# KiCad board Untitled.kicad_pcb
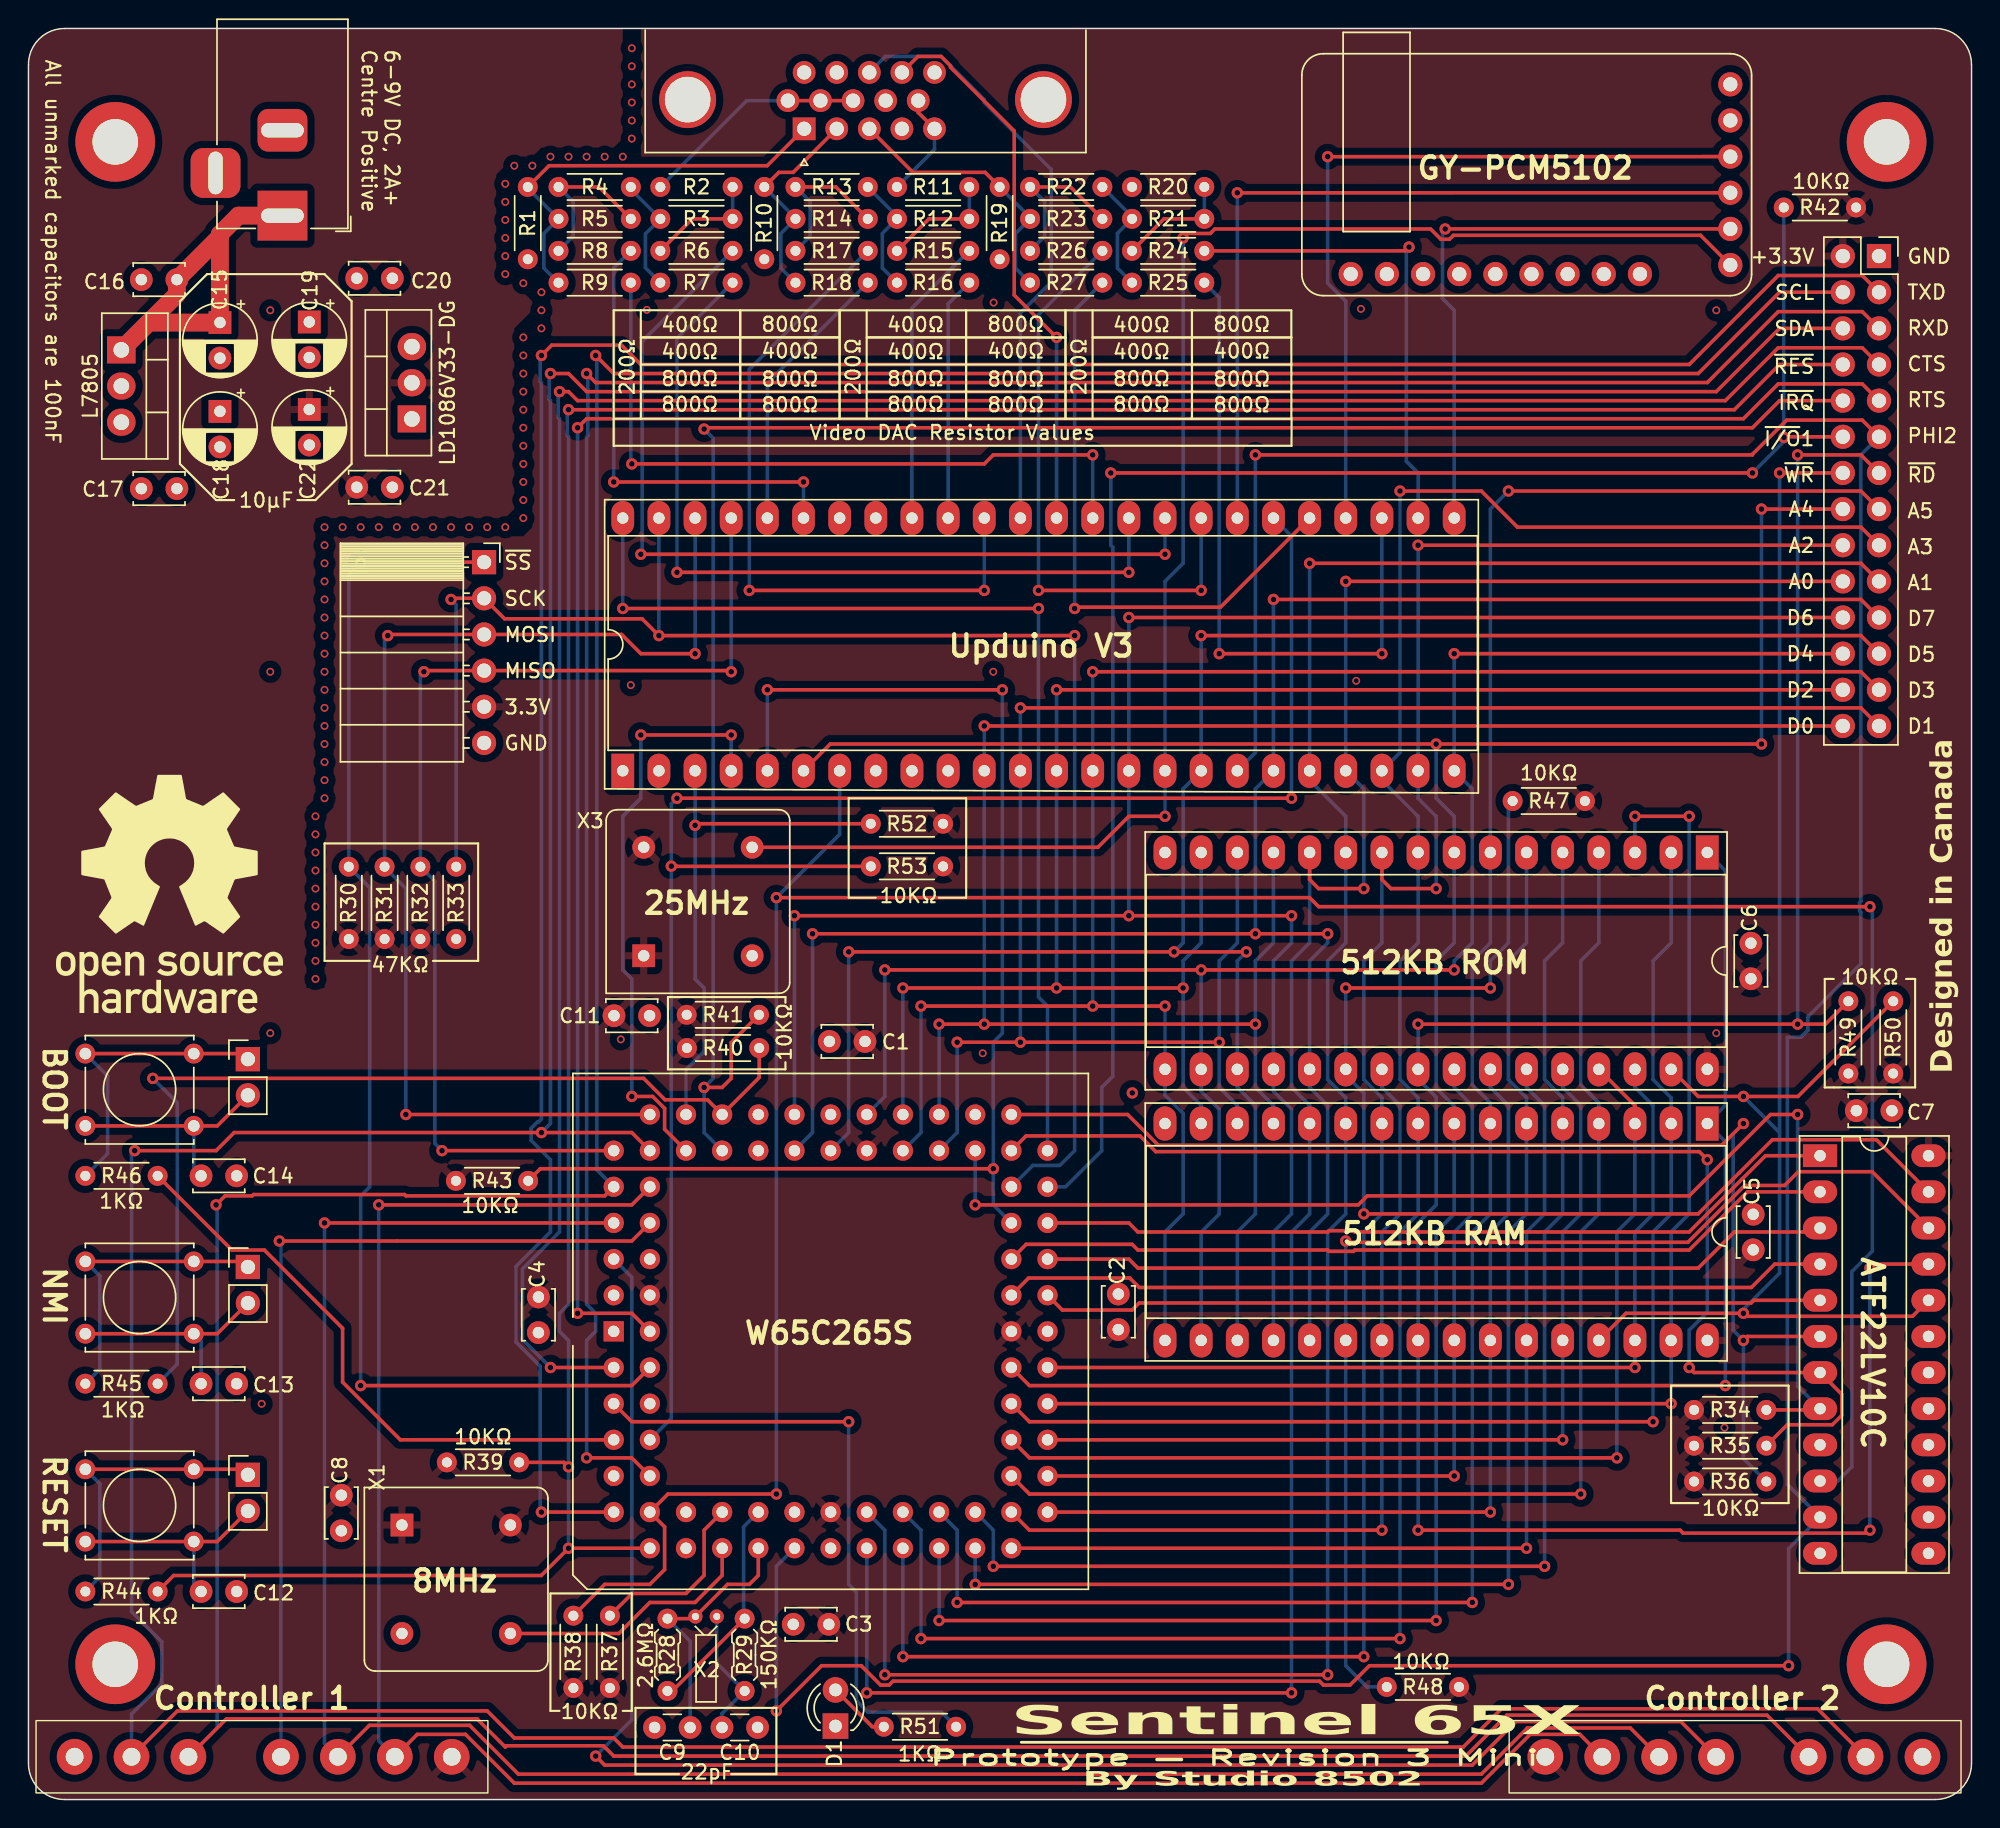
[diagram p0: board, top side]
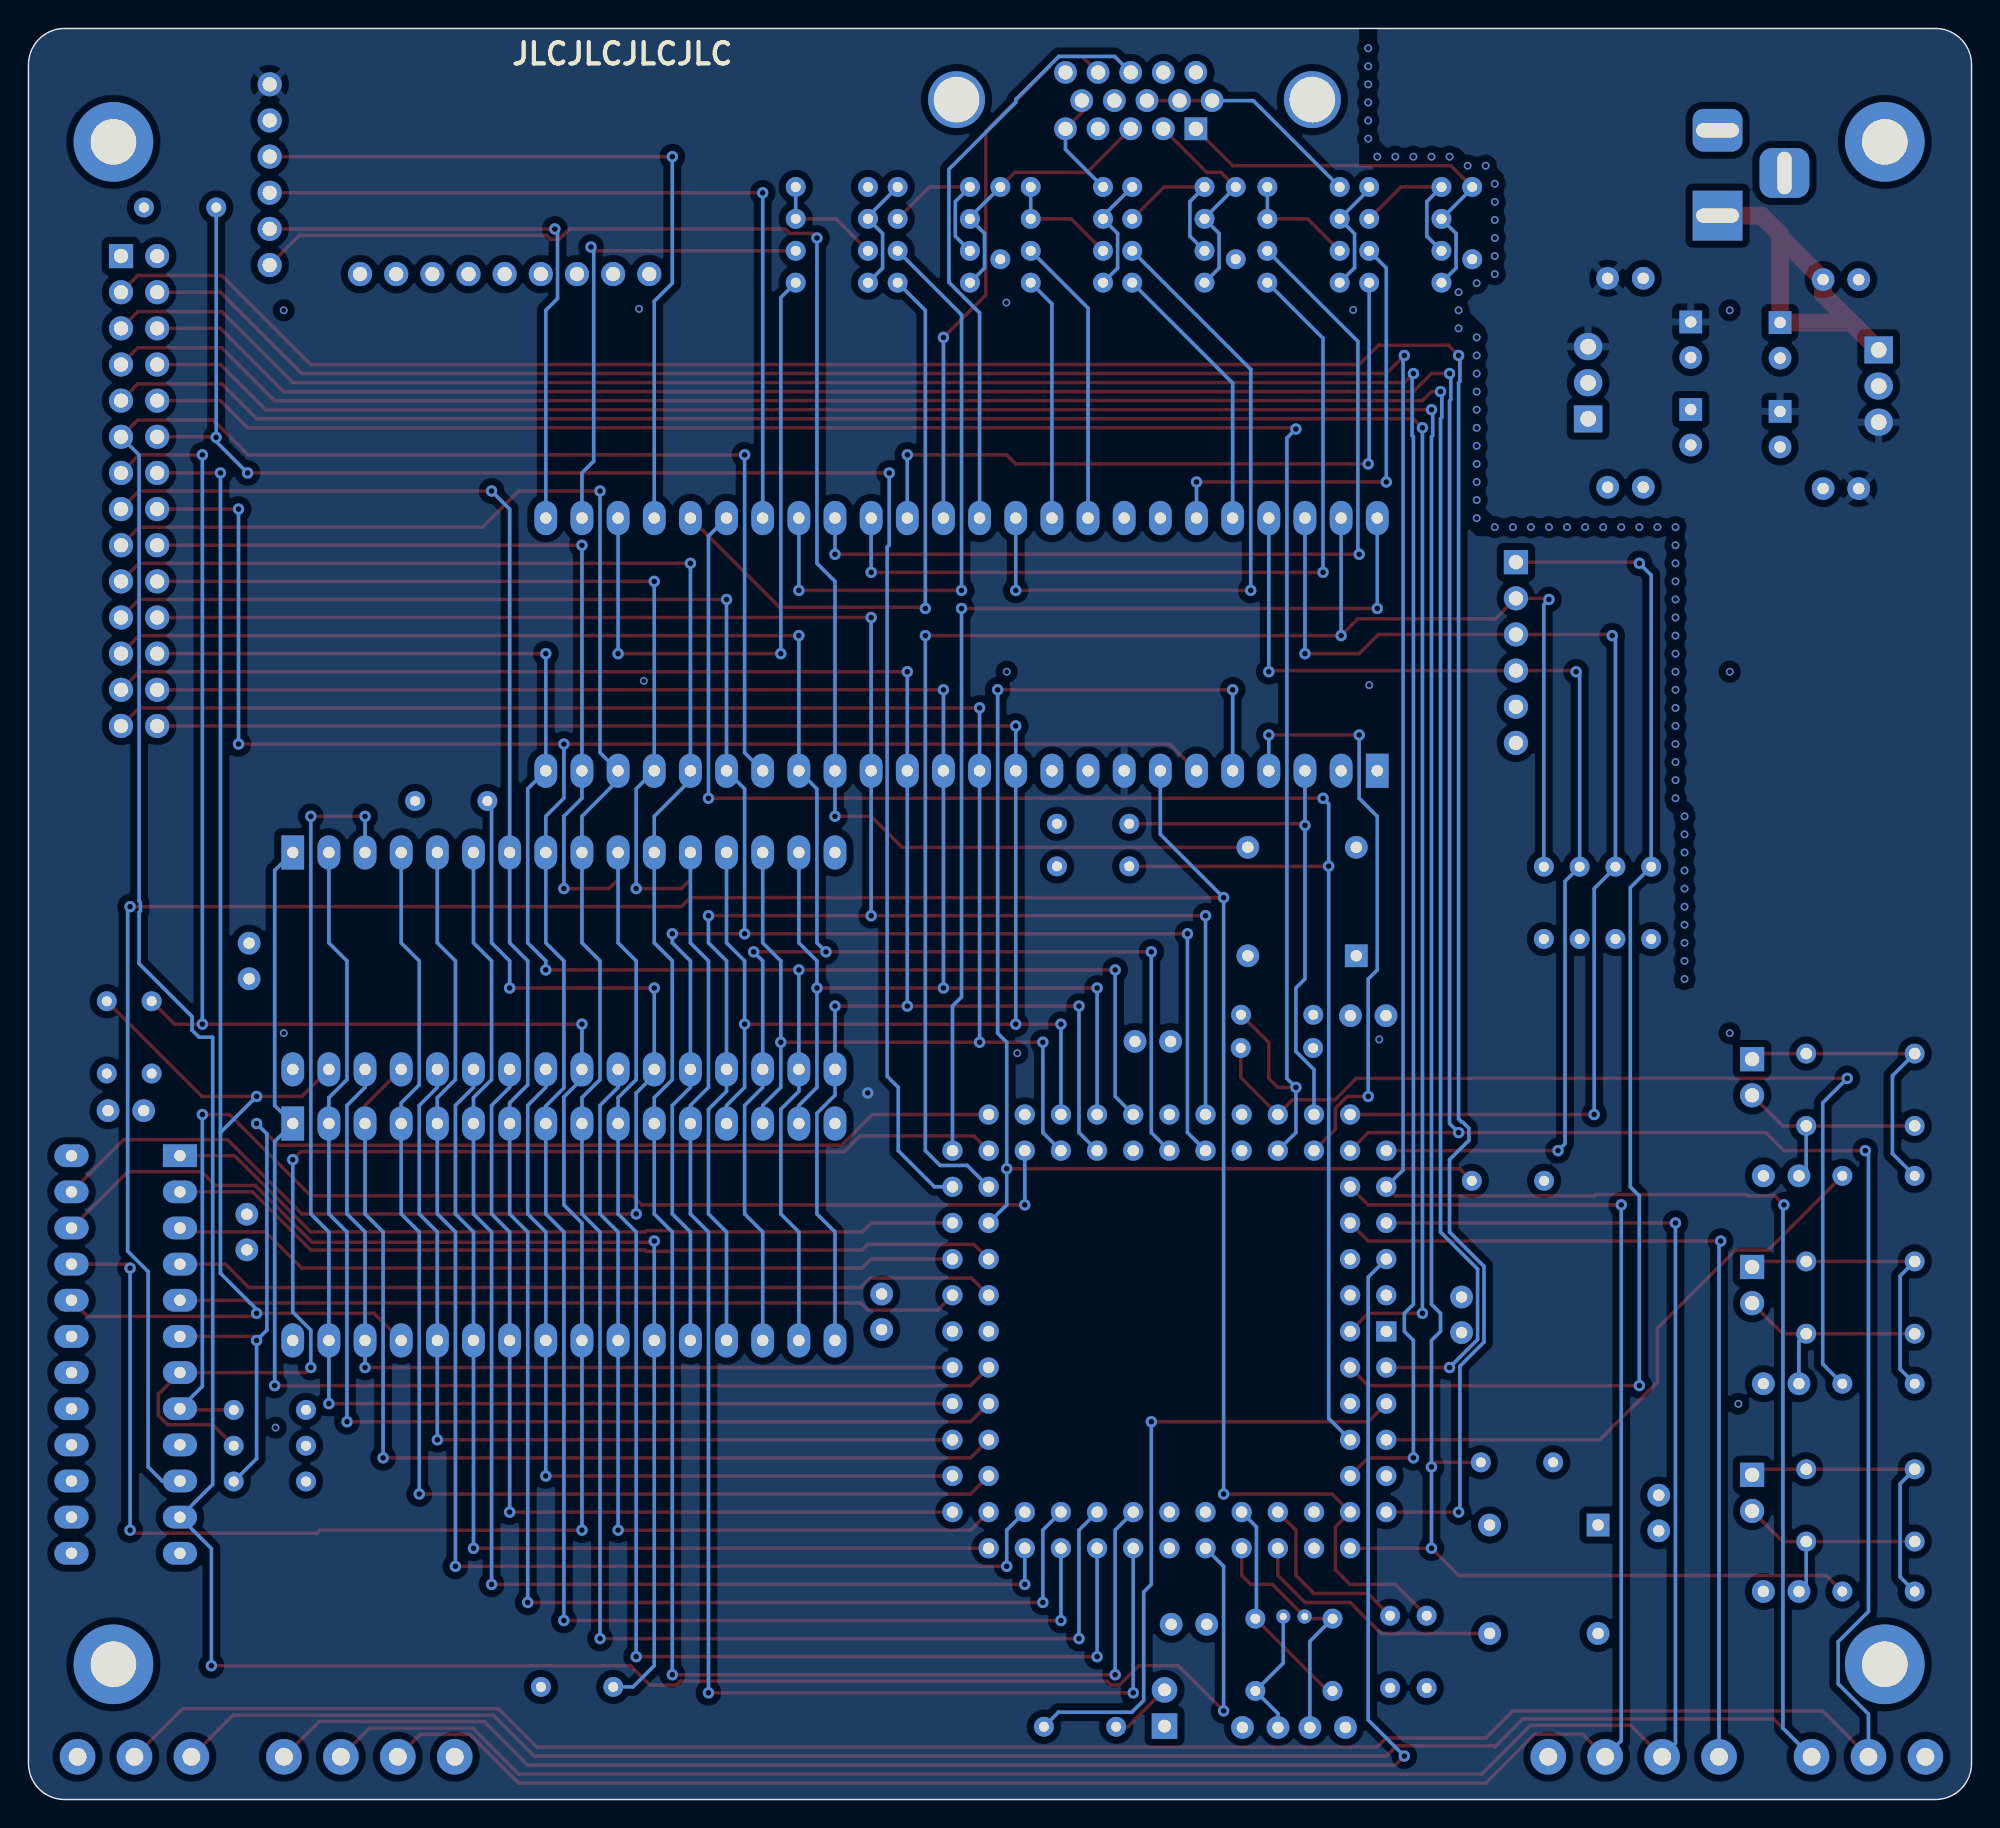
[diagram p1: board, bottom side, seen from below]

Outline 136.53 x 124.46 mm; copper layers: Top, In1.Cu, In2.Cu, Bottom. Coordinates in mm from the lower left corner of the outline.
Outline path: 0,121.92 arc(0.74,123.72) 2.54,124.46 133.98,124.46 arc(135.78,123.72) 136.53,121.92 136.53,2.54 arc(135.78,0.74) 133.98,0 2.54,0 arc(0.74,0.74) 0,2.54 0,121.92
Stack: Top 0.035mm / dielectric 0.1mm FR4 er 4.5 / In1.Cu 0.035mm / dielectric 1.24mm FR4 er 4.5 / In2.Cu 0.035mm / dielectric 0.1mm FR4 er 4.5 / Bottom 0.035mm

## Placement (name value [footprint] x y rotation side)
C1  100nF  [C_Disc_D3.4mm_W2.1mm_P2.50mm]  58.78 53.27 180 top
C2  100nF  [C_Disc_D3.4mm_W2.1mm_P2.50mm]  76.58 33.02 90 top
C3  100nF  [C_Disc_D3.4mm_W2.1mm_P2.50mm]  56.24 12.31 180 top
C4  100nF  [C_Disc_D3.4mm_W2.1mm_P2.50mm]  35.83 35.31 270 top
C5  100nF  [C_Disc_D3.4mm_W2.1mm_P2.50mm]  121.18 38.63 90 top
C6  100nF  [C_Disc_D3.4mm_W2.1mm_P2.50mm]  121.02 57.68 90 top
C7  100nF  [C_Disc_D3.4mm_W2.1mm_P2.50mm]  128.43 48.41 0 top
C8  100nF  [C_Disc_D3.4mm_W2.1mm_P2.50mm]  21.98 21.39 270 top
C9  22pF  [C_Disc_D3.0mm_W1.6mm_P2.50mm]  46.49 5.07 180 top
C10  22pF  [C_Disc_D3.0mm_W1.6mm_P2.50mm]  48.73 5.07 0 top
C11  100nF  [C_Disc_D3.4mm_W2.1mm_P2.50mm]  41.14 55.09 0 top
C12  100nF  [C_Disc_D3.4mm_W2.1mm_P2.50mm]  12.13 14.62 0 top
C13  100nF  [C_Disc_D3.4mm_W2.1mm_P2.50mm]  12.13 29.22 0 top
C14  100nF  [C_Disc_D3.4mm_W2.1mm_P2.50mm]  12.13 43.83 0 top
C15  10µF  [CP_Radial_D5.0mm_P2.50mm]  13.45 103.79 270 top
C16  100nF  [C_Disc_D3.4mm_W2.1mm_P2.50mm]  10.43 106.81 180 top
C17  100nF  [C_Disc_D3.4mm_W2.1mm_P2.50mm]  7.93 92.13 0 top
C18  10µF  [CP_Radial_D5.0mm_P2.50mm]  13.45 97.55 270 top
C19  10µF  [CP_Radial_D5.0mm_P2.50mm]  19.73 103.83 270 top
C20  100nF  [C_Disc_D3.4mm_W2.1mm_P2.50mm]  25.57 106.9 180 top
C21  100nF  [C_Disc_D3.4mm_W2.1mm_P2.50mm]  23.07 92.22 0 top
C22  10µF  [CP_Radial_D5.0mm_P2.50mm]  19.73 97.68 270 top
D1  LED  [LED_D3.0mm]  56.7 5.16 90 top
H1  MountingHole_Pad  [MountingHole_3.2mm_M3_DIN965_Pad]  6.1 9.5 0 top
H2  MountingHole_Pad  [MountingHole_3.2mm_M3_DIN965_Pad]  6.1 116.49 0 top
H3  MountingHole_Pad  [MountingHole_3.2mm_M3_DIN965_Pad]  130.56 116.49 0 top
H4  MountingHole_Pad  [MountingHole_3.2mm_M3_DIN965_Pad]  130.56 9.5 0 top
J1  Conn_02x14_Odd_Even  [PinSocket_2x14_P2.54mm_Vertical]  130.02 108.46 0 top
J2  SVGA Connector  [DSUB-15-HD_Female_Horizontal_P2.29x1.98mm_EdgePinOffset3.03mm_Housed_MountingHolesOffset4.94mm]  54.5 117.41 180 top
J3  Controller 1  [SNES Controller Port (Female, 90º, THT)]  14.5 3 180 top
J4  Controller 1  [SNES Controller Port (Female, 90º, THT)]  121.82 3 0 top
J5  Conn_01x06  [PinSocket_1x06_P2.54mm_Horizontal]  32.01 86.95 0 top
J6  Conn_01x02  [PinHeader_1x02_P2.54mm_Vertical]  15.42 22.82 0 top
J7  Conn_01x02  [PinHeader_1x02_P2.54mm_Vertical]  15.42 37.42 0 top
J8  Conn_01x02  [PinHeader_1x02_P2.54mm_Vertical]  15.42 52.03 0 top
J9  DC Barrel Jack  [BarrelJack_Horizontal]  17.85 111.3 270 top
R1  200Ω  [R_Axial_DIN0204_L3.6mm_D1.6mm_P5.08mm_Horizontal]  35.08 113.32 270 top
R2  800Ω  [R_Axial_DIN0204_L3.6mm_D1.6mm_P5.08mm_Horizontal]  44.4 113.32 0 top
R3  400Ω  [R_Axial_DIN0204_L3.6mm_D1.6mm_P5.08mm_Horizontal]  44.4 111.08 0 top
R4  400Ω  [R_Axial_DIN0204_L3.6mm_D1.6mm_P5.08mm_Horizontal]  37.24 113.32 0 top
R5  400Ω  [R_Axial_DIN0204_L3.6mm_D1.6mm_P5.08mm_Horizontal]  37.24 111.08 0 top
R6  800Ω  [R_Axial_DIN0204_L3.6mm_D1.6mm_P5.08mm_Horizontal]  44.4 108.83 0 top
R7  800Ω  [R_Axial_DIN0204_L3.6mm_D1.6mm_P5.08mm_Horizontal]  44.4 106.6 0 top
R8  800Ω  [R_Axial_DIN0204_L3.6mm_D1.6mm_P5.08mm_Horizontal]  37.24 108.83 0 top
R9  800Ω  [R_Axial_DIN0204_L3.6mm_D1.6mm_P5.08mm_Horizontal]  37.24 106.6 0 top
R10  200Ω  [R_Axial_DIN0204_L3.6mm_D1.6mm_P5.08mm_Horizontal]  51.7 113.32 270 top
R11  800Ω  [R_Axial_DIN0204_L3.6mm_D1.6mm_P5.08mm_Horizontal]  61.02 113.32 0 top
R12  400Ω  [R_Axial_DIN0204_L3.6mm_D1.6mm_P5.08mm_Horizontal]  61.02 111.08 0 top
R13  400Ω  [R_Axial_DIN0204_L3.6mm_D1.6mm_P5.08mm_Horizontal]  53.89 113.32 0 top
R14  400Ω  [R_Axial_DIN0204_L3.6mm_D1.6mm_P5.08mm_Horizontal]  53.89 111.08 0 top
R15  800Ω  [R_Axial_DIN0204_L3.6mm_D1.6mm_P5.08mm_Horizontal]  61.02 108.83 0 top
R16  800Ω  [R_Axial_DIN0204_L3.6mm_D1.6mm_P5.08mm_Horizontal]  61.02 106.6 0 top
R17  800Ω  [R_Axial_DIN0204_L3.6mm_D1.6mm_P5.08mm_Horizontal]  53.89 108.83 0 top
R18  800Ω  [R_Axial_DIN0204_L3.6mm_D1.6mm_P5.08mm_Horizontal]  53.89 106.6 0 top
R19  200Ω  [R_Axial_DIN0204_L3.6mm_D1.6mm_P5.08mm_Horizontal]  68.24 113.32 270 top
R20  800Ω  [R_Axial_DIN0204_L3.6mm_D1.6mm_P5.08mm_Horizontal]  77.54 113.32 0 top
R21  400Ω  [R_Axial_DIN0204_L3.6mm_D1.6mm_P5.08mm_Horizontal]  77.54 111.08 0 top
R22  400Ω  [R_Axial_DIN0204_L3.6mm_D1.6mm_P5.08mm_Horizontal]  70.38 113.32 0 top
R23  400Ω  [R_Axial_DIN0204_L3.6mm_D1.6mm_P5.08mm_Horizontal]  70.38 111.08 0 top
R24  800Ω  [R_Axial_DIN0204_L3.6mm_D1.6mm_P5.08mm_Horizontal]  77.54 108.83 0 top
R25  800Ω  [R_Axial_DIN0204_L3.6mm_D1.6mm_P5.08mm_Horizontal]  77.54 106.6 0 top
R26  800Ω  [R_Axial_DIN0204_L3.6mm_D1.6mm_P5.08mm_Horizontal]  70.38 108.83 0 top
R27  800Ω  [R_Axial_DIN0204_L3.6mm_D1.6mm_P5.08mm_Horizontal]  70.38 106.6 0 top
R28  2.6MΩ  [R_Axial_DIN0204_L3.6mm_D1.6mm_P5.08mm_Horizontal]  44.9 7.63 90 top
R29  150KΩ  [R_Axial_DIN0204_L3.6mm_D1.6mm_P5.08mm_Horizontal]  50.32 12.71 270 top
R30  47kΩ  [R_Axial_DIN0204_L3.6mm_D1.6mm_P5.08mm_Horizontal]  22.51 60.47 90 top
R31  47kΩ  [R_Axial_DIN0204_L3.6mm_D1.6mm_P5.08mm_Horizontal]  25.02 60.47 90 top
R32  47kΩ  [R_Axial_DIN0204_L3.6mm_D1.6mm_P5.08mm_Horizontal]  27.54 60.47 90 top
R33  47kΩ  [R_Axial_DIN0204_L3.6mm_D1.6mm_P5.08mm_Horizontal]  30.05 65.55 270 top
R34  10KΩ  [R_Axial_DIN0204_L3.6mm_D1.6mm_P5.08mm_Horizontal]  117.03 27.38 0 top
R35  10KΩ  [R_Axial_DIN0204_L3.6mm_D1.6mm_P5.08mm_Horizontal]  117.03 24.86 0 top
R36  10KΩ  [R_Axial_DIN0204_L3.6mm_D1.6mm_P5.08mm_Horizontal]  117.03 22.35 0 top
R37  10KΩ  [R_Axial_DIN0204_L3.6mm_D1.6mm_P5.08mm_Horizontal]  40.85 7.84 90 top
R38  10KΩ  [R_Axial_DIN0204_L3.6mm_D1.6mm_P5.08mm_Horizontal]  38.29 7.84 90 top
R39  10KΩ  [R_Axial_DIN0204_L3.6mm_D1.6mm_P5.08mm_Horizontal]  29.4 23.69 0 top
R40  10KΩ  [R_Axial_DIN0204_L3.6mm_D1.6mm_P5.08mm_Horizontal]  46.26 52.81 0 top
R41  10KΩ  [R_Axial_DIN0204_L3.6mm_D1.6mm_P5.08mm_Horizontal]  46.25 55.15 0 top
R42  10KΩ  [R_Axial_DIN0204_L3.6mm_D1.6mm_P5.08mm_Horizontal]  128.41 111.88 180 top
R43  10KΩ  [R_Axial_DIN0204_L3.6mm_D1.6mm_P5.08mm_Horizontal]  30.03 43.48 0 top
R44  1KΩ  [R_Axial_DIN0204_L3.6mm_D1.6mm_P5.08mm_Horizontal]  4 14.62 0 top
R45  1KΩ  [R_Axial_DIN0204_L3.6mm_D1.6mm_P5.08mm_Horizontal]  4 29.22 0 top
R46  1KΩ  [R_Axial_DIN0204_L3.6mm_D1.6mm_P5.08mm_Horizontal]  4 43.83 0 top
R47  10KΩ  [R_Axial_DIN0204_L3.6mm_D1.6mm_P5.08mm_Horizontal]  109.36 70.17 180 top
R48  10KΩ  [R_Axial_DIN0204_L3.6mm_D1.6mm_P5.08mm_Horizontal]  100.52 7.91 180 top
R49  10KΩ  [R_Axial_DIN0204_L3.6mm_D1.6mm_P5.08mm_Horizontal]  127.87 51.02 90 top
R50  10KΩ  [R_Axial_DIN0204_L3.6mm_D1.6mm_P5.08mm_Horizontal]  131.02 51.02 90 top
R51  1KΩ  [R_Axial_DIN0204_L3.6mm_D1.6mm_P5.08mm_Horizontal]  60.1 5.11 0 top
R52  10KΩ  [R_Axial_DIN0204_L3.6mm_D1.6mm_P5.08mm_Horizontal]  64.26 68.57 180 top
R53  10KΩ  [R_Axial_DIN0204_L3.6mm_D1.6mm_P5.08mm_Horizontal]  64.26 65.58 180 top
SW1  SW_Push  [SW_Tactile_Straight_KSA0Axx1LFTR]  4 23.21 0 top
SW2  SW_Push  [SW_Tactile_Straight_KSA0Axx1LFTR]  4 37.81 0 top
SW3  SW_Push  [SW_Tactile_Straight_KSA0Axx1LFTR]  4 52.42 0 top
U1  W65C265S8PLG-8  [PLCC-84_THT-Socket]  41.12 32.9 90 top
U2  AS6C4008-55PCN  [DIP-32_W15.24mm_Socket_LongPads]  117.96 47.5 270 top
U3  SST39SF040  [DIP-32_W15.24mm_Socket_LongPads]  117.96 66.55 270 top
U4  ATF22LV10C  [DIP-24_W7.62mm_Socket_LongPads]  125.88 45.24 0 top
U5  Upduino V3  [DIP-48_W17.76mm_Socket_LongPads]  41.76 72.29 90 top
U6  -  [GY-PCM5102]  117.34 101.73 180 top
U7  L7805  [TO-220-3_Vertical]  6.52 101.87 270 top
U8  LD1086V33-DG  [TO-220-3_Vertical]  26.94 97.02 90 top
X1  8MHz  [Oscillator_DIP-8]  26.24 19.29 270 top
X2  32.768 KHz  [Crystal_DS10_D1.0mm_L4.3mm_Horizontal]  46.86 12.86 0 top
X3  25MHz  [Oscillator_DIP-8]  43.23 59.3 0 top

## Library data of the parts
C1-C14 C16 C17 C20 C21 = -: Description: Unpolarized capacitor
C15 C18 C19 C22 = -: Description: Polarized capacitor
D1 = -: Description: Light emitting diode
H1-H4 = -: Description: Mounting Hole with connection
J1 = -: Description: Generic connector, double row, 02x14, odd/even pin numbering scheme (row 1 odd numbers, row 2 even numbers), script generated (kicad-library-utils/schlib/autogen/connector/)
J2 = -: Description: 15-pin female receptacle socket D-SUB connector, High density (3 columns), Triple Row, Generic, VGA-connector, Mounting Hole
J3 J4 = -: Description: Generic connector, single row, 01x07, script generated (kicad-library-utils/schlib/autogen/connector/)
J5 = -: Description: Generic connector, single row, 01x06, script generated (kicad-library-utils/schlib/autogen/connector/)
J6-J8 = -: Description: Generic connector, single row, 01x02, script generated (kicad-library-utils/schlib/autogen/connector/)
R1-R53 = -: Description: Resistor
SW1-SW3 = -: Description: Push button switch, generic, two pins
U1 = -: Description: 8/16 Bit CPUmicrocontroller based on the 65816 architecture
U2 = -: Description: 512K x 8 Low Power CMOS RAM, DIP-32
U3 = -: Description: Silicon Storage Technology (SSF) 512k x 8 Flash ROM
U6 = -: Description: GY-PCM5102 I2S Audio DAC Module
U7 = -: Description: Positive 1.5A 35V Linear Regulator, Fixed Output 5V, TO-220/TO-263/TO-252
U8 = -: Description: Positive, 1.5A 30V, Linear Regulator, Fixed Output 3.3V, TO-220
X1 X3 = -: Description: Crystal Clock Oscillator, DIP8-style metal package
X2 = -: Description: Two pin crystal

## Footprints (pads in the part's own frame, mm; a bottom-side part is the same pattern mirrored in y, then rotated)
BarrelJack_Horizontal
  rect 3.5x3.5 hole 1x3: 1(0,0)
  rrect 3x3.5 hole 1x3: 2(-6,0)
  rrect 3.5x3.5 hole 3x1: 3(-3,-4.7)
C_Disc_D3.0mm_W1.6mm_P2.50mm
  round 1.6 hole 0.8: 1(0,0) 2(2.5,0)
C_Disc_D3.4mm_W2.1mm_P2.50mm
  round 1.6 hole 0.8: 1(0,0) 2(2.5,0)
CP_Radial_D5.0mm_P2.50mm
  rect 1.6x1.6 hole 0.8: 1(0,0)
  round 1.6 hole 0.8: 2(2.5,0)
Crystal_DS10_D1.0mm_L4.3mm_Horizontal
  round 1 hole 0.5: 1(0,0) 2(1.5,0)
DIP-24_W7.62mm_Socket_LongPads
  rect 2.4x1.6 hole 0.8: 1(0,0)
  oval 2.4x1.6 hole 0.8: 2(0,-2.54) 3(0,-5.08) 4(0,-7.62) 5(0,-10.16) 6(0,-12.7) 7(0,-15.24) 8(0,-17.78) 9(0,-20.32) 10(0,-22.86) 11(0,-25.4) 12(0,-27.94) 13(7.62,-27.94) 14(7.62,-25.4) 15(7.62,-22.86) 16(7.62,-20.32) 17(7.62,-17.78) 18(7.62,-15.24) 19(7.62,-12.7) 20(7.62,-10.16) 21(7.62,-7.62) 22(7.62,-5.08) 23(7.62,-2.54) 24(7.62,0)
DIP-32_W15.24mm_Socket_LongPads
  rect 2.4x1.6 hole 0.8: 1(0,0)
  oval 2.4x1.6 hole 0.8: 2(0,-2.54) 3(0,-5.08) 4(0,-7.62) 5(0,-10.16) 6(0,-12.7) 7(0,-15.24) 8(0,-17.78) 9(0,-20.32) 10(0,-22.86) 11(0,-25.4) 12(0,-27.94) 13(0,-30.48) 14(0,-33.02) 15(0,-35.56) 16(0,-38.1) 17(15.24,-38.1) 18(15.24,-35.56) 19(15.24,-33.02) 20(15.24,-30.48) 21(15.24,-27.94) 22(15.24,-25.4) 23(15.24,-22.86) 24(15.24,-20.32) 25(15.24,-17.78) 26(15.24,-15.24) 27(15.24,-12.7) 28(15.24,-10.16) 29(15.24,-7.62) 30(15.24,-5.08) 31(15.24,-2.54) 32(15.24,0)
DIP-48_W17.76mm_Socket_LongPads
  rect 2.4x1.6 hole 0.8: 1(0,0)
  oval 2.4x1.6 hole 0.8: 2(0,-2.54) 3(0,-5.08) 4(0,-7.62) 5(0,-10.16) 6(0,-12.7) 7(0,-15.24) 8(0,-17.78) 9(0,-20.32) 10(0,-22.86) 11(0,-25.4) 12(0,-27.94) 13(0,-30.48) 14(0,-33.02) 15(0,-35.56) 16(0,-38.1) 17(0,-40.64) 18(0,-43.18) 19(0,-45.72) 20(0,-48.26) 21(0,-50.8) 22(0,-53.34) 23(0,-55.88) 24(0,-58.42) 25(17.76,-58.42) 26(17.76,-55.88) 27(17.76,-53.34) 28(17.76,-50.8) 29(17.76,-48.26) 30(17.76,-45.72) 31(17.76,-43.18) 32(17.76,-40.64) 33(17.76,-38.1) 34(17.76,-35.56) 35(17.76,-33.02) 36(17.76,-30.48) 37(17.76,-27.94) 38(17.76,-25.4) 39(17.76,-22.86) 40(17.76,-20.32) 41(17.76,-17.78) 42(17.76,-15.24) 43(17.76,-12.7) 44(17.76,-10.16) 45(17.76,-7.62) 46(17.76,-5.08) 47(17.76,-2.54) 48(17.76,0)
DSUB-15-HD_Female_Horizontal_P2.29x1.98mm_EdgePinOffset3.03mm_Housed_MountingHolesOffset4.94mm
  round 4 hole 3.2: 0(-16.815,-2.05) 0(8.185,-2.05)
  rect 1.6x1.6 hole 1: 1(0,0)
  round 1.6 hole 1: 2(-2.29,0) 3(-4.58,0) 4(-6.87,0) 5(-9.16,0) 6(1.145,-1.98) 7(-1.145,-1.98) 8(-3.435,-1.98) 9(-5.725,-1.98) 10(-8.015,-1.98) 11(0,-3.96) 12(-2.29,-3.96) 13(-4.58,-3.96) 14(-6.87,-3.96) 15(-9.16,-3.96)
GY-PCM5102
  round 1.7 hole 1: 1(-2.24,-6.105) 2(-2.24,-8.645) 3(-2.24,-11.185) 4(-2.24,-13.725) 5(-2.24,-16.265) 6(-2.24,-18.805) 7(24.43,-5.47) 8(21.89,-5.47) 9(19.35,-5.47) 10(16.81,-5.47) 11(14.27,-5.47) 12(11.73,-5.47) 13(9.19,-5.47) 14(6.65,-5.47) 15(4.11,-5.47)
LED_D3.0mm
  rect 1.8x1.8 hole 0.9: 1(0,0)
  round 1.8 hole 0.9: 2(2.54,0)
MountingHole_3.2mm_M3_DIN965_Pad
  round 5.6 hole 3.2: 1(0,0)
Oscillator_DIP-8
  rect 1.6x1.6 hole 0.8: 1(0,0)
  round 1.6 hole 0.8: 4(7.62,0) 5(7.62,7.62) 8(0,7.62)
PinHeader_1x02_P2.54mm_Vertical
  rect 1.7x1.7 hole 1: 1(0,0)
  oval 1.7x1.7 hole 1: 2(0,-2.54)
PinSocket_1x06_P2.54mm_Horizontal
  rect 1.7x1.7 hole 1: 1(0,0)
  oval 1.7x1.7 hole 1: 2(0,-2.54) 3(0,-5.08) 4(0,-7.62) 5(0,-10.16) 6(0,-12.7)
PinSocket_2x14_P2.54mm_Vertical
  rect 1.7x1.7 hole 1: 1(0,0)
  oval 1.7x1.7 hole 1: 2(-2.54,0) 3(0,-2.54) 4(-2.54,-2.54) 5(0,-5.08) 6(-2.54,-5.08) 7(0,-7.62) 8(-2.54,-7.62) 9(0,-10.16) 10(-2.54,-10.16) 11(0,-12.7) 12(-2.54,-12.7) 13(0,-15.24) 14(-2.54,-15.24) 15(0,-17.78) 16(-2.54,-17.78) 17(0,-20.32) 18(-2.54,-20.32) 19(0,-22.86) 20(-2.54,-22.86) 21(0,-25.4) 22(-2.54,-25.4) 23(0,-27.94) 24(-2.54,-27.94) 25(0,-30.48) 26(-2.54,-30.48) 27(0,-33.02) 28(-2.54,-33.02)
PLCC-84_THT-Socket
  rect 1.422x1.422 hole 0.8: 1(0,0)
  round 1.422 hole 0.8: 2(0,-2.54) 3(-2.54,0) 4(-2.54,-2.54) 5(-5.08,0) 6(-5.08,-2.54) 7(-7.62,0) 8(-7.62,-2.54) 9(-10.16,0) 10(-10.16,-2.54) 11(-12.7,0) 12(-15.24,-2.54) 13(-12.7,-2.54) 14(-15.24,-5.08) 15(-12.7,-5.08) 16(-15.24,-7.62) 17(-12.7,-7.62) 18(-15.24,-10.16) 19(-12.7,-10.16) 20(-15.24,-12.7) 21(-12.7,-12.7) 22(-15.24,-15.24) 23(-12.7,-15.24) 24(-15.24,-17.78) 25(-12.7,-17.78) 26(-15.24,-20.32) 27(-12.7,-20.32) 28(-15.24,-22.86) 29(-12.7,-22.86) 30(-15.24,-25.4) 31(-12.7,-25.4) 32(-15.24,-27.94) 33(-12.7,-30.48) 34(-12.7,-27.94) 35(-10.16,-30.48) 36(-10.16,-27.94) 37(-7.62,-30.48) 38(-7.62,-27.94) 39(-5.08,-30.48) 40(-5.08,-27.94) 41(-2.54,-30.48) 42(-2.54,-27.94) 43(0,-30.48) 44(0,-27.94) 45(2.54,-30.48) 46(2.54,-27.94) 47(5.08,-30.48) 48(5.08,-27.94) 49(7.62,-30.48) 50(7.62,-27.94) 51(10.16,-30.48) 52(10.16,-27.94) 53(12.7,-30.48) 54(15.24,-27.94) 55(12.7,-27.94) 56(15.24,-25.4) 57(12.7,-25.4) 58(15.24,-22.86) 59(12.7,-22.86) 60(15.24,-20.32) 61(12.7,-20.32) 62(15.24,-17.78) 63(12.7,-17.78) 64(15.24,-15.24) 65(12.7,-15.24) 66(15.24,-12.7) 67(12.7,-12.7) 68(15.24,-10.16) 69(12.7,-10.16) 70(15.24,-7.62) 71(12.7,-7.62) 72(15.24,-5.08) 73(12.7,-5.08) 74(15.24,-2.54) 75(12.7,0) 76(12.7,-2.54) 77(10.16,0) 78(10.16,-2.54) 79(7.62,0) 80(7.62,-2.54) 81(5.08,0) 82(5.08,-2.54) 83(2.54,0) 84(2.54,-2.54)